# Allegro board FMDEMOD-Long.brd (continued)
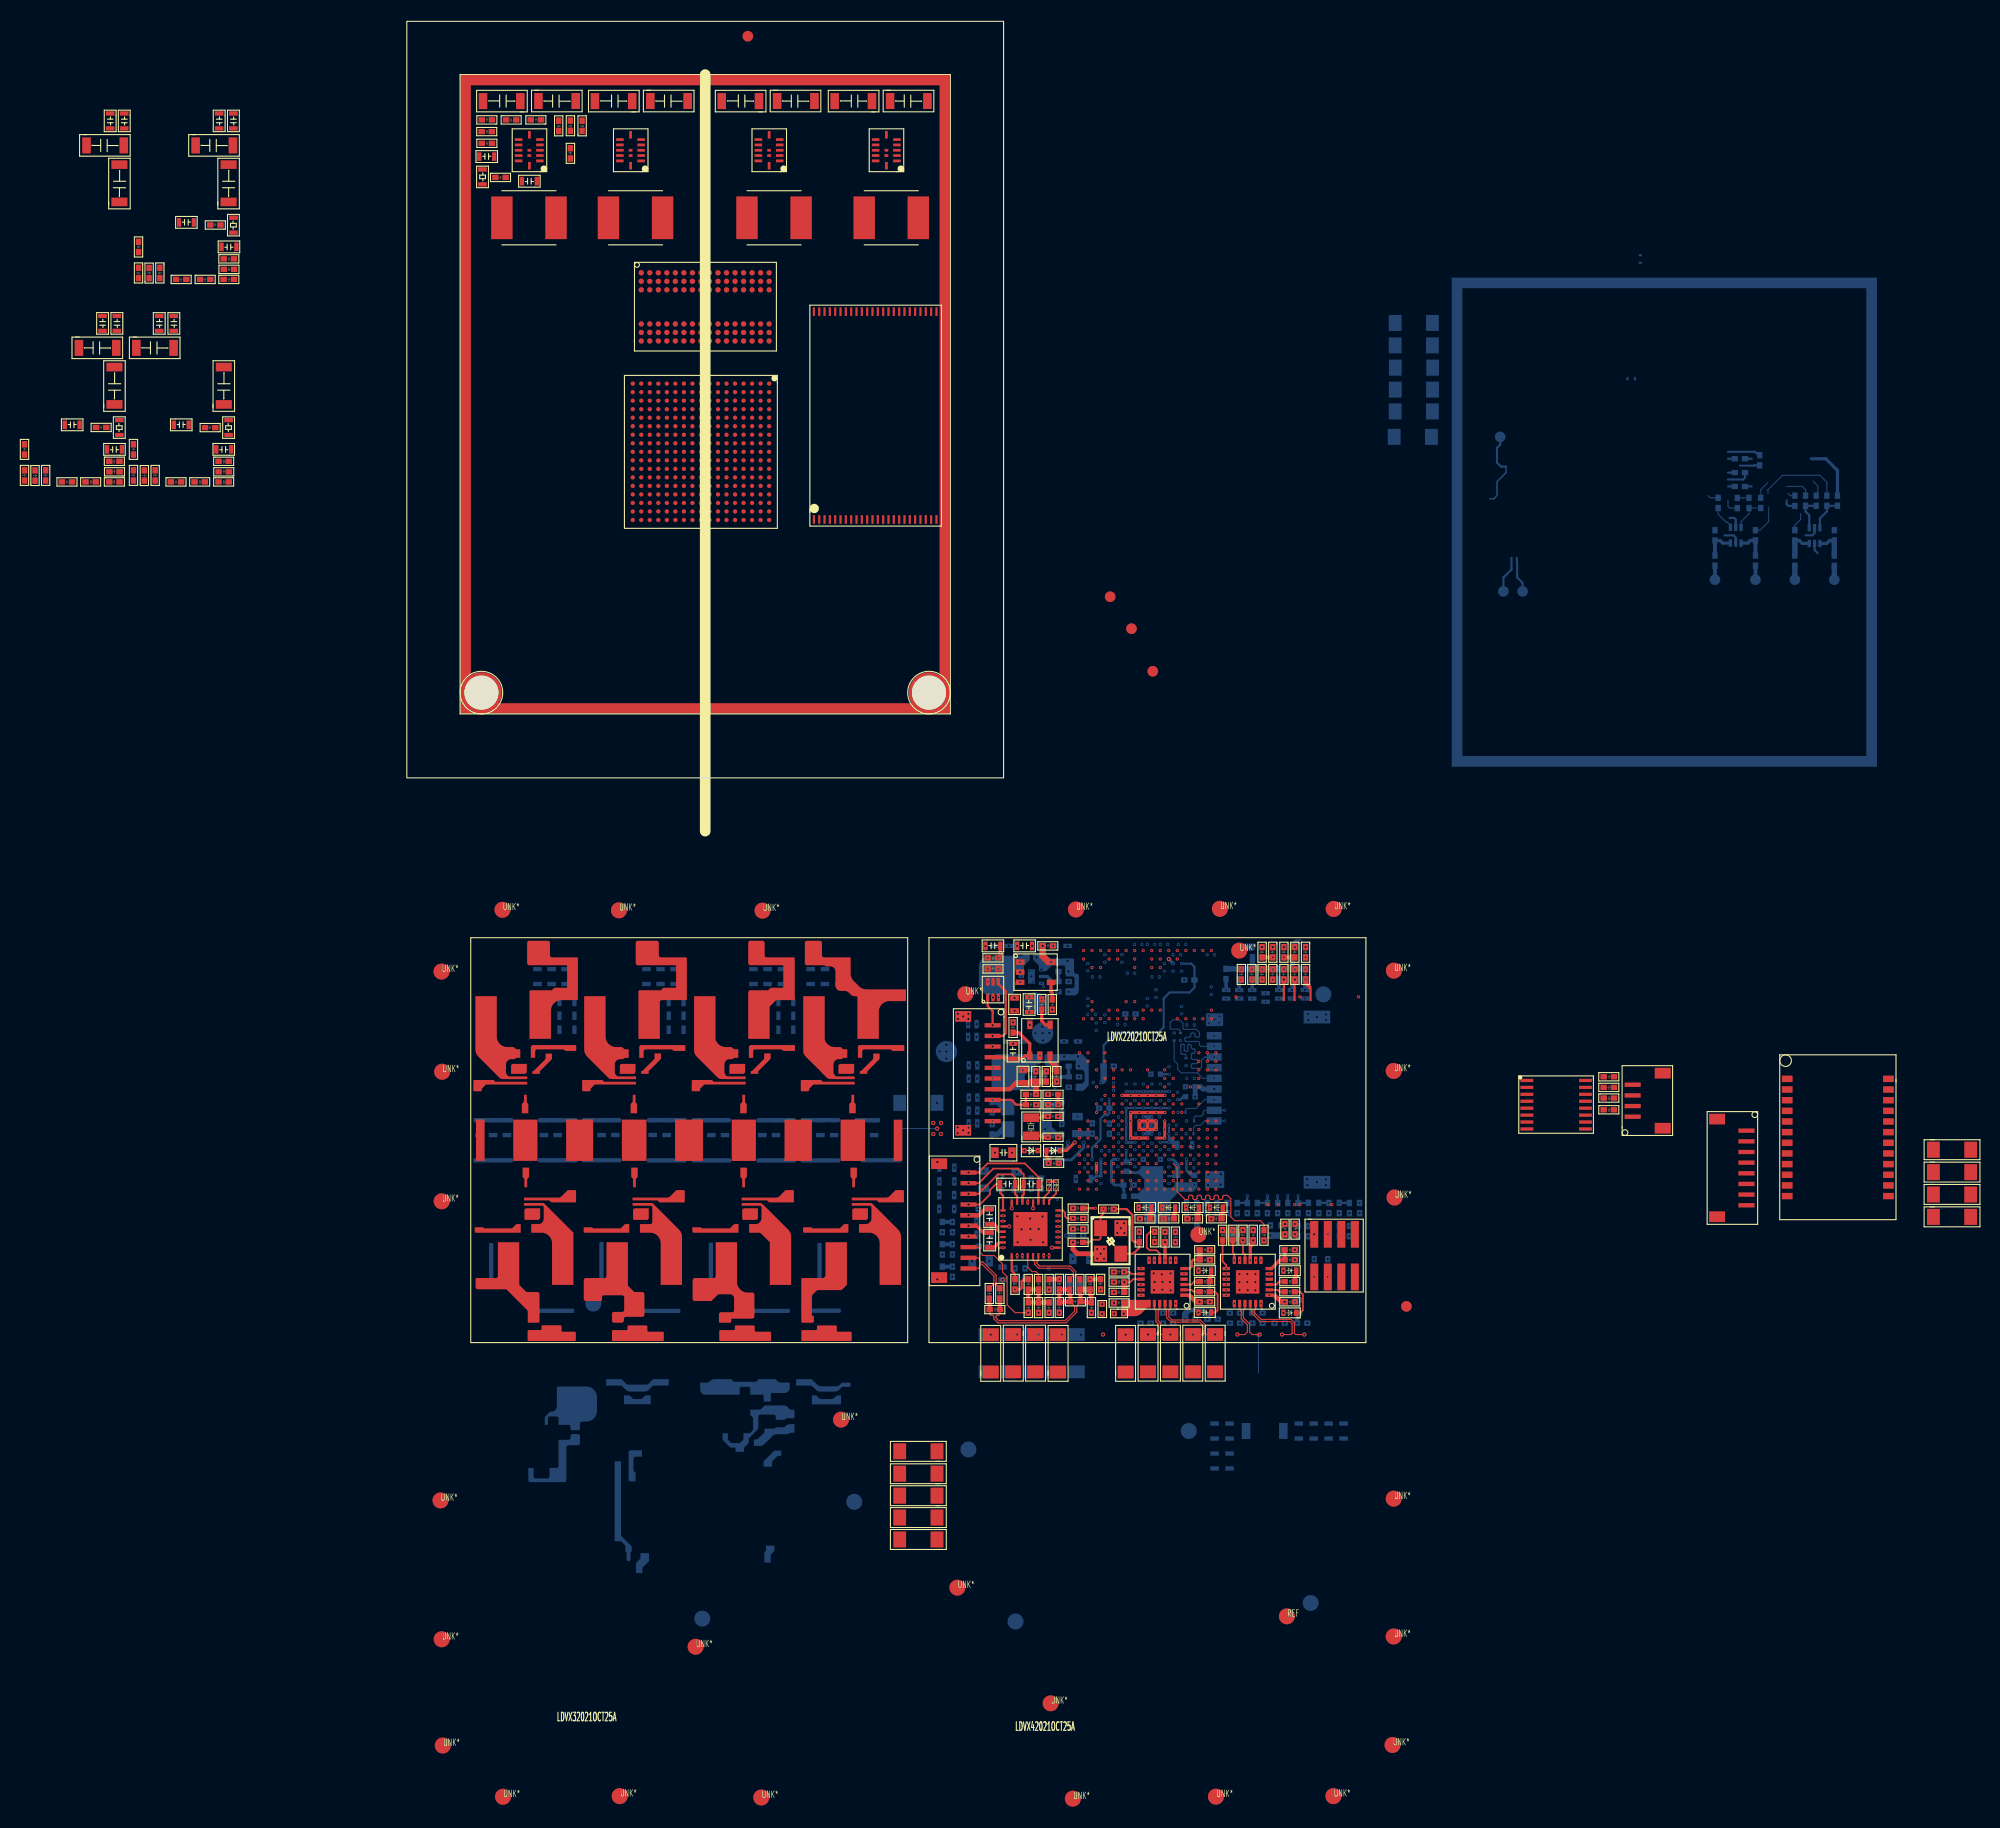
[diagram p0: board, top side]
## Routing (per net, layer and track width the routed paths; a pad name or vN(x,y) marks a point on that pad's centre or on a via; arc(x,y) is an arc through that point) (continued)
SPK_LP: length 8.1
  TOP w0.16: v16(52.71,-40.04) 53.77,-40.04 54.71,-39.1 54.71,-38.68 55.27,-38.13 C73.1
  TOP w0.2: C73.1 55.68,-38.93 55.95,-39.2 U15.25
  SIGNAL-L4 w0.3: v15(51.37,-40.45) 51.78,-40.04 v16(52.71,-40.04)
SPK_RN: length 11.3
  TOP w0.16: v16(52.71,-37.04) 53.64,-37.04 54.49,-36.18 57.99,-36.18 59.29,-37.48 C74.2
  TOP w0.2: C74.2 59.29,-38.7 59.27,-38.73 U15.19
  SIGNAL-L4 w0.3: v16(52.71,-37.04) 52.3,-37.04 51.85,-36.59 v15(51.38,-36.59)
SPK_RP: length 10
  TOP w0.16: C74.1 57.89,-37.21 57.34,-36.67 55.04,-36.67 53.67,-38.04 v16(52.71,-38.04)
  TOP w0.2: U15.22 57.77,-39.21 57.89,-39.09 C74.1
  SIGNAL-L4 w0.3: v16(52.71,-38.04) 52.12,-38.04 51.95,-37.87 v15(51.38,-37.87)
TTL_TXD: length 1.1
  BOTTOM w0.1: R350.1 125.38,26.28 125.37,26.27 R369.2
USB_OTG1_DN: length 14.7
  SIGNAL-L7 w0.1: v8(63.92,-37) 63.44,-36.52 62.98,-36.52 62.66,-36.2 57.22,-36.2 56.45,-35.43 56.45,-32.45 55.6,-31.61 55.07,-31.61 54.97,-31.51 v8(54.97,-31.22)
  SIGNAL-L7 w0.26: v8(54.97,-31.22) 54.65,-31.22 54.64,-31.22 v18(53.53,-31.22)
USB_OTG1_DP: length 13.9
  SIGNAL-L7 w0.1: v8(63.12,-37) 62.53,-36.41 57.13,-36.41 56.24,-35.51 56.24,-32.54 55.52,-31.82 55.07,-31.82 54.97,-31.92 v8(54.97,-32.22)
  SIGNAL-L7 w0.26: v18(53.52,-32.42) 53.99,-32.42 54.2,-32.22 v8(54.97,-32.22)
USB_OTG1_ID: length 21.7
  TOP w0.2: R22.1 58.09,-30.14 58.09,-30.14 R39.2 57.17,-30.67 56.72,-30.22 v21(54.97,-30.22)
  SIGNAL-L7 w0.26: v18(53.54,-30) 53.91,-30 54.13,-30.22 v21(54.97,-30.22)
  SIGNAL-L8 w0.1: v5(68.72,-35.4) 67.9,-34.58 66.99,-34.58 66.49,-34.08 64.18,-34.08 63.21,-33.1 61.03,-33.1 59.79,-31.87 57.8,-31.87 56.15,-30.22 v21(54.97,-30.22)
USB_OTG1_VBUS: length 17.7
  TOP w0.4: J1.7 56.56,-29.22 57.11,-28.67 57.11,-28.67 57.16,-28.62 57.82,-28.62
  TOP w0.5: C36.2 58.58,-28.5 58.46,-28.62 57.82,-28.62 ; C36.2 C37.2 ; C36.2 59.02,-28.98 59.05,-29 v7(59.05,-29.71)
  SIGNAL-L4 w0.16: v7(59.05,-29.71) 61.28,-31.94 62.96,-31.94 63.52,-32.51 v15(63.52,-34.23)
  SIGNAL-L4 w0.2: v7(63.92,-34.6) 63.55,-34.23 v15(63.52,-34.23)
  BOTTOM w0.26: C390.2 62.37,-35.84 63.52,-34.69 v15(63.52,-34.23)
USB_OTG2_DN: length 17.3
  SIGNAL-L7 w0.1: v8(54.97,-27.22) 54.97,-27.51 55.07,-27.61 57,-27.61 57.86,-28.47 57.86,-33.72 58.86,-34.72 62.22,-34.72 62.36,-34.58 63.19,-34.58 63.62,-35 63.62,-35.1 v8(63.92,-35.4)
  SIGNAL-L7 w0.26: v18(53.53,-26.97) 53.91,-26.97 54.15,-27.22 v8(54.97,-27.22)
USB_OTG2_DP: length 16.8
  SIGNAL-L7 w0.1: v8(63.12,-35.4) 63.35,-35.17 63.35,-35.03 63.11,-34.79 62.44,-34.79 62.31,-34.93 58.77,-34.93 57.65,-33.81 57.65,-28.56 56.91,-27.82 55.07,-27.82 54.97,-27.92 v8(54.97,-28.22)
  SIGNAL-L7 w0.26: v18(53.53,-28.22) 54.64,-28.22 54.65,-28.22 v8(54.97,-28.22)
USB_OTG2_VBUS: length 18.8
  SIGNAL-L4 w0.16: v7(63.12,-34.6) 62.86,-34.6 62.79,-34.67 62.46,-34.67 v15(62.02,-34.24) 62.02,-33.76 61.12,-32.86 59.3,-32.86 57.26,-30.82 57.26,-26 57.71,-25.55 57.71,-22.08 57.49,-21.86 v16(57.03,-21.86)
  BOTTOM w0.26: C361.2 61.73,-34.89 62.02,-34.6 v15(62.02,-34.24)
USB_VBUS: length 6.8
  TOP w0.3: R11.2 57.42,-23.91 58.45,-24.94 U4.1 58.03,-26.08 57.76,-26.35 C27.1 56.13,-26.35 56,-26.22 J1.4
VENET_3V3: length 0
  TOP w0.127: 71.15,-43.56 v13(71.15,-43.57)
  vias: v10(71.15,-45.27) v10(79.15,-45.27) v12(74.39,-45.23) v12(74.39,-48.22) v12(83.63,-49.02) v13(65.25,-50.3) v13(66.36,-46.37) v13(66.36,-47.32) v13(66.38,-50.27) v13(70.18,-43.56) v13(74.28,-46.25) v13(74.28,-50.17) v13(76.55,-42.44) v13(77.52,-42.44) v13(79.42,-43.4) v13(82.26,-46.25) v13(82.26,-50.2)
XTALI: length 11.5
  TOP w0.2: v19(66.33,-40.47) 67.54,-40.47 68.09,-41.01 68.09,-43.39 68.26,-43.56 C95.2 68.73,-44.09 68.16,-44.66 67,-44.66
  SIGNAL-L7 w0.1: v19(66.33,-40.47) 65.17,-39.31 65.17,-38.54 64.43,-37.8 v8(63.92,-37.8)
XTALO: length 7.1
  TOP w0.16: C98.2 64.02,-43.59 64.27,-43.34 64.97,-43.34 65.1,-43.22 Y2.1 65.1,-41.17 65.37,-40.89 v8(65.37,-40.47)
  SIGNAL-L7 w0.1: v8(63.92,-38.6) 63.92,-39.02 v8(65.37,-40.47)
ZQ0: length 0.6
  BOTTOM w0.3: v11(71.9,-17.44) 71.9,-17.4 v14(71.5,-17)
ZQ1: length 0.6
  PWR-L6 w0.3: v10(71.5,-16.2) v11(71.9,-16.6)
ZQPAD: length 0.4
  PWR-L6 w0.3: v10(66.32,-28.2) 66.32,-28.2 v11(66.32,-28.62)
N4007879: length 1.4
  PWR-L6 w0.2: v10(66.32,-34.6) 65.93,-34.21 v11(65.93,-33.41)
N4008796: length 3.2
  PWR-L6 w0.26: v11(65.13,-35.79) v10(65.52,-35.4)
  BOTTOM w0.26: v11(65.13,-35.79) 65.13,-36.2 C399.1 64.68,-37.37 64.4,-37.64 C397.1
N4087915: length 6.2
  TOP w0.3: v19(60.16,-31.77) 59.68,-31.77 59.56,-31.9 Y1.2
  SIGNAL-L7 w0.1: v19(60.16,-31.77) 60.43,-32.04 61.62,-32.04 62.95,-33.37 63.49,-33.37 v8(63.92,-33.8)
N4087935: length 5.3
  TOP w0.3: v19(60.16,-33.73) 59.68,-33.73 59.55,-33.6 58.58,-33.6
  SIGNAL-L7 w0.1: v19(60.16,-33.73) 60.16,-33.36 60.33,-33.18 61.43,-33.18 62.04,-33.8 v8(63.12,-33.8)
N4129499: length 1.1
  TOP w0.36: R82.2 69.75,-40.92 69.87,-40.81 D3.2
N4198004: length 2.8
  PWR-L6 w0.2: v10(64.72,-34.6) 64.33,-34.21 v12(64.33,-33.39)
  BOTTOM w0.5: C322.2 63.9,-33.39 63.9,-33.39 v12(64.33,-33.39)
N4201231: length 1.3
  SIGNAL-L4 w0.1: v15(58.02,-46.03) 58.02,-45.52 57.77,-45.26 v7(57.77,-44.84)
N4201841: length 1.3
  SIGNAL-L4 w0.1: v7(57.27,-44.84) 57.27,-45.27 57.07,-45.46 v15(57.07,-46.03)
N4206925: length 4.9
  TOP w0.2: R79.1 64.29,-40.38 64.29,-40.39 v3(64.62,-40.39)
  SIGNAL-L3 w0.1: v3(65.52,-37) 65.52,-38.79 64.62,-39.69 v3(64.62,-40.39)
N4209990: length 0.9
  SIGNAL-L3 w0.1: v4(80.29,-50.22) 80.29,-49.84 80.15,-49.7 v3(80.15,-49.34)
N4216158: length 1.1
  TOP w0.36: D8.1 83.46,-46.74 83.33,-46.87 R99.2
N4216162: length 3.1
  TOP w0.16: D10.1 83.85,-50.2 84.09,-49.97 84.09,-48.49 83.82,-48.22 R108.2
N4216453: length 2.7
  TOP w0.3: C100.1 C101.1 81.95,-45.23 81.13,-46.05 U17.6
N4219956: length 3.4
  SIGNAL-L3 w0.2: v6(80.43,-43.4) 80.43,-44.52 80.93,-45.02 v3(80.93,-46.55)
N4226540: length 1.1
  TOP w0.36: D7.1 75.48,-46.74 75.35,-46.87 R98.2
N4226544: length 3
  TOP w0.16: R107.2 75.84,-48.22 76.08,-48.46 76.08,-49.97 75.87,-50.17 D9.1
N4226630: length 3
  TOP w0.2: C102.1 73.8,-45.23 73.66,-45.38 73.66,-45.85 73.46,-46.05 U16.6
  TOP w0.5: C99.1 74.39,-44.8 74.39,-44.81 C102.1
N4226754: length 1
  SIGNAL-L3 w0.1: v4(71.91,-50.22) 72.18,-49.95 72.18,-49.69 72.15,-49.67 v3(72.15,-49.34)
N4226762: length 3.3
  SIGNAL-L3 w0.127: v3(72.93,-46.55) 72.93,-44.38 v6(72.12,-43.57)
N4949904: length 1.1
  TOP w0.36: R83.2 71.98,-40.92 72.1,-40.81 72.1,-40.33
N4950154: length 1.1
  TOP w0.36: D5.2 74.33,-40.81 74.21,-40.92 R84.2
N4950158: length 1.1
  TOP w0.36: D6.2 76.57,-40.81 76.45,-40.92 R85.2
N4962302: length 2
  TOP w0.3: U4.4 59.94,-23.18 59.58,-22.82 R10.2
N4962318: length 1.9
  TOP w0.3: R16.1 60.99,-27 60.87,-26.87 60.57,-26.87 60.35,-26.66 U4.3
N4966591: length 2.1
  TOP w0.36: v7(64.11,-47.06) 64.66,-47.06 64.67,-47.05 R106.1
  SIGNAL-L4 w0.1: v7(64.11,-47.06) 63.62,-47.06 v17(63.16,-47.52)
N4966598: length 2.1
  TOP w0.36: R103.2 60.7,-47.06 60.71,-47.05 v7(61.23,-47.05)
  SIGNAL-L4 w0.1: v17(62.2,-47.52) 61.72,-47.05 v7(61.23,-47.05)
N4966923: length 10.4
  TOP w0.2: v7(57.07,-48.01) 57.55,-48.01 57.69,-47.86 57.69,-47.25 57.89,-47.06 R102.2
  SIGNAL-L4 w0.1: v7(65.1,-48.01) 61.55,-48.01 61.09,-47.54 59.4,-47.54 58.94,-48.01 v7(57.07,-48.01)
N4969505: length 2.4
  SIGNAL-L4 w0.1: v7(55.95,-41.59) 55.62,-41.59 55.62,-41.6 v15(54.85,-41.6)
  BOTTOM w0.36: v15(54.85,-41.6) C411.1
N4971120: length 5.4
  TOP w0.36: R112.2 58.85,-49.24 58.84,-49.23 R111.1 R102.1 C107.1 R112.2 ; R112.2 59.84,-49.24 59.85,-49.23 C121.1
N6357472: length 3.6
  SIGNAL-L4 w0.3: v16(52.71,-42.04) 52.16,-42.04 51.82,-42.38 51.82,-43.14 v15(51.19,-43.77)
  BOTTOM w0.36: R264.1 v15(51.19,-43.77)
N6357497: length 2.7
  SIGNAL-L4 w0.3: v15(51.19,-41.67) 51.83,-41.04 v16(52.71,-41.04)
  BOTTOM w0.36: C410.1 v15(51.19,-41.67)
N7057664: length 0.7
  SIGNAL-L7 w0.1: v9(85.15,-46.12) v8(85.15,-46.83)
N7057668: length 0.7
  SIGNAL-L7 w0.1: v9(86.41,-46.12) 86.41,-46.5 86.42,-46.51 v8(86.42,-46.83)
N7060478: length 4.3
  SIGNAL-L3 w0.1: v6(86.42,-42.83) 86.42,-42.13 85.58,-41.29 v4(85.58,-40.85) v4(87.5,-40.85)
N7060523: length 6.1
  SIGNAL-L3 w0.1: v4(84.61,-40.85) 84.61,-41.35 85.15,-41.89 v6(85.15,-42.83) 85.99,-43.68 87.78,-43.68 v4(88.45,-43.01)
N7084975: length 21.5
  PWR-L6 w0.22: v12(84.27,-19.9) 84.27,-20.23 84.36,-20.32 84.36,-20.78 84.27,-20.87 84.27,-26.77 78.84,-32.2 v11(76.75,-32.2)
  BOTTOM w0.1: 73.82,-33.4 73.82,-32.83 74.04,-32.61 74.48,-32.61 74.89,-32.2 J5.1 v11(76.75,-32.2)
  BOTTOM w0.3: v12(84.27,-19.9) 84.27,-19.53 84.28,-19.51 R205.2
N7085009: length 19.2
  PWR-L6 w0.22: v12(83.06,-19.9) 83.06,-25.96 77.82,-31.2 v11(76.75,-31.2)
  BOTTOM w0.1: R230.2 73.88,-31.87 74,-31.75 74.56,-31.75 74.73,-31.57 74.73,-31.33 74.86,-31.2 J5.2 v11(76.75,-31.2)
  BOTTOM w0.3: R206.2 v12(83.06,-19.9)
N7085027: length 17.8
  PWR-L6 w0.22: v11(81.86,-19.91) 81.86,-25.13 76.79,-30.2 v11(75.77,-30.2)
  BOTTOM w0.1: R229.2 73.07,-31.13 73.17,-31.03 74.04,-31.03 74.86,-30.2 v11(75.77,-30.2)
  BOTTOM w0.3: R207.2 81.83,-19.5 81.86,-19.53 v11(81.86,-19.91)
N7085069: length 16.5
  PWR-L6 w0.22: v11(75.77,-28.2) 76.92,-28.2 80.58,-24.53 v11(80.58,-21.01)
  BOTTOM w0.1: R218.2 72.01,-26.54 72.33,-26.86 72.33,-27.35 72.67,-27.69 74.19,-27.69 74.7,-28.2 v11(75.77,-28.2)
N7085119: length 20.1
  PWR-L6 w0.22: v11(79.33,-19.91) 79.33,-24.2 77.33,-26.2 v11(75.77,-26.2)
  BOTTOM w0.1: v11(75.77,-26.2) 74.87,-26.2 74.57,-26.5 74.57,-27.16 74.47,-27.26 73.71,-27.26 73.61,-27.16 73.61,-26.92 73.71,-26.82 74.14,-26.82 74.24,-26.72 74.24,-26.52 74.14,-26.42 73.71,-26.42 73.61,-26.32 73.61,-25.94 73.71,-25.84 73.87,-25.84 73.97,-25.74 73.97,-25.54 73.87,-25.44 73.71,-25.44 73.61,-25.34 73.61,-25.11 73.51,-25.01 73.39,-25.01 73.29,-25.11 73.29,-25.61 73.23,-25.67 73.05,-25.67 72.95,-25.57 72.95,-25.07 72.87,-24.99 72.73,-24.99 72.63,-25.09 72.63,-25.85 72.72,-25.93 73.02,-25.93 73.12,-26.04 73.12,-26.31
  BOTTOM w0.3: v11(79.33,-19.91) 79.33,-19.53 79.35,-19.51 R208.2
N7085137: length 19
  PWR-L6 w0.22: v11(75.77,-25.2) 76.39,-25.2 78.11,-23.47 78.11,-21.03 78.36,-20.78 78.36,-20.32 78.11,-20.07 v11(78.11,-19.91)
  BOTTOM w0.1: R217.2 72.6,-23.75 72.43,-23.59 71.72,-23.59 71.62,-23.49 71.62,-23 71.9,-22.72 72.52,-22.72 72.83,-23.02 72.83,-23.5 72.93,-23.6 74.09,-23.6 74.38,-23.89 74.38,-24.24 74.28,-24.34 74.06,-24.34 73.96,-24.24 73.96,-24.05 73.86,-23.95 73.66,-23.95 73.56,-24.05 73.56,-24.24 73.46,-24.34 73.11,-24.34 73.01,-24.44 73.01,-24.64 73.11,-24.74 74.28,-24.74 74.38,-24.84 74.38,-25.07 74.52,-25.2 v11(75.77,-25.2)
  BOTTOM w0.3: v11(78.11,-19.91) 78.11,-19.53 78.11,-19.53 R209.2
N7099288: length 4.3
  TOP w0.2: U3.1 54.51,-21.42 54.97,-21.89 v6(54.97,-23.22)
  SIGNAL-L3 w0.3: v6(54.97,-23.22) 53.95,-23.22 53.84,-23.11 v4(53.47,-23.11)
N7119824: length 3.1
  BOTTOM w0.2: 123.98,30.6 126.5,30.6 126.81,30.29 C596.1
N7119928: length 0.6
  BOTTOM w0.2: C601.1 123.98,28.65
N7119940: length 0.6
  BOTTOM w0.2: C607.1 123.98,29.95
N7119964: length 1.9
  BOTTOM w0.2: 125.1,29.3 126.44,29.3 126.47,29.33 C596.2
N7119992: length 0.6
  BOTTOM w0.2: C611.1 123.98,27.35
N7120000: length 2.1
  BOTTOM w0.2: C601.2 125.57,28.17 125.4,28 123.98,28
N7120004: length 2.9
  BOTTOM w0.3: U41.3 130.96,22 130.68,22.28 R324.2
  BOTTOM w0.5: R322.2 R324.2
N7120715: length 1.3
  BOTTOM w0.5: TP53.1 R322.1
N7120840: length 1.3
  BOTTOM w0.36: TP54.1 R329.1
N7121019: length 1.3
  BOTTOM w0.36: TP51.1 R336.1
N7121024: length 1.3
  BOTTOM w0.5: TP52.1 R330.1
N7132409: length 1.5
  BOTTOM w0.1: R369.1 124.17,25.31 123.98,25.5 123.98,26.05
N7132815: length 3.2
  BOTTOM w0.1: U42.3 125.2,24.04 125.95,24.79 R350.2 R349.2
N7132819: length 3.1
  BOTTOM w0.1: 129.6,26.7 129.82,26.48 R334.2 ; R335.2 123.05,24.74 123.81,23.99 123.92,23.99 124.2,23.71 U42.1
N7301618: length 2.9
  BOTTOM w0.3: R331.2 126.07,22.28 125.82,22.03 U42.4
  BOTTOM w0.36: R329.2 R331.2
N7301681: length 2.9
  BOTTOM w0.3: R332.2 133.52,22.28 133.24,22 U41.1
  BOTTOM w0.5: R330.2 R332.2
N7301693: length 3
  BOTTOM w0.3: U42.6 123.48,22.03 123.23,22.28 R338.2
  BOTTOM w0.36: R336.2 R338.2
N7303091: length 2.7
  BOTTOM w0.1: 129.48,27.35 130.95,27.35 131.25,27.05 R346.1 131.25,26.29
N7303129: length 8.2
  BOTTOM w0.1: 127.72,26.7 127.72,27.03 129.1,28.4 132.6,28.4 133.25,27.75 R347.1 133.25,26.29
N7303150: length 1.7
  BOTTOM w0.1: R349.1 127.05,27.05 127.7,27.7
N7303177: length 1.2
  BOTTOM w0.2: 129.48,26.05 129.48,25.67 129.63,25.52 R334.1
N7304159: length 3.2
  BOTTOM w0.2: R345.2 R346.2 131.25,25 131.6,24.65 U41.4
N7304177: length 3.3
  BOTTOM w0.2: U41.6 132.6,24.35 133.25,25 R347.2 R348.2
N7869909: length 8
  TOP w0.2: v6(54.97,-24.22) 55.95,-24.22 56.2,-23.96 56.2,-20.03 55.51,-19.33 U3.4
  SIGNAL-L3 w0.3: v4(53.47,-24.32) 53.84,-24.32 53.95,-24.22 v6(54.97,-24.22)
N8015227: length 1.7
  BOTTOM w0.5: R228.1 55.41,-30.43 55.89,-30.91 R227.1
N8015335: length 1.7
  BOTTOM w0.5: R233.1 55.91,-32.97 55.42,-33.46 R234.1
N8206279: length 1.6
  TOP w0.3: C22.2 60.57,-20.19 60.45,-20.08 U1.4
N8420934: length 2.7
  BOTTOM w0.3: R204.1 61.14,-18.59 61.15,-18.6 R212.2 60.57,-19.11 60.09,-18.64 U34.2
N8425431: length 4.1
  SIGNAL-L8 w0.16: v2(61.15,-20.08) 59.78,-20.08 58.35,-18.64 v1(57.66,-18.64)
N8429190: length 4
  SIGNAL-L8 w0.16: v2(62.12,-29.03) 59.3,-29.03 58.72,-28.45 v1(58.72,-28.1)
N8429316: length 2.5
  BOTTOM w0.3: U35.2 61.5,-28.1 61.54,-28.05 62.12,-28.05 62.12,-27.63 62.11,-27.62 R221.1

## Copper pours and planes (outline as drawn; the poured copper is in the pictures)
3V3_AUDIO on PWR-L6: 56,-43.6 56.31,-43.3 61.6,-43.3 61.64,-43.34 61.64,-45.79 60.96,-46.47 53.67,-46.47 52.58,-47.56 52.58,-48.31 52.36,-48.54 49.57,-48.54 49.57,-44 49.97,-43.6
3V3_MCU on PWR-L6: 49.05,-55.05 89.95,-55.05 89.95,-92.95 49.05,-92.95
5V_AUDIO on PWR-L6: 55.02,-39.16 55.02,-38.31 55.18,-38.16 59.92,-38.16 60.02,-38.25 60.02,-40.54 58.79,-41.76 56.66,-41.76 55.33,-43.09 49.57,-43.09 49.57,-40.07 54.11,-40.07
GND on TOP (solid shape): 7.29,-35.94 6.49,-35.94 6.49,-32.08 7.29,-32.08
GND on TOP (solid shape): 46.5,-35.95 45.7,-35.95 45.7,-32.08 46.5,-32.08
GND on TOP (solid shape): 17.48,-35.95 14.95,-35.95 14.95,-32.08 17.48,-32.08
GND on TOP (solid shape): 27.79,-35.95 25.18,-35.95 25.18,-32.08 27.79,-32.08
GND on TOP (solid shape): 38.01,-35.95 35.45,-35.95 35.45,-32.08 38.01,-32.08
GND on TOP (solid shape): 51,6 5,6 5,7 50,7 50,65 6,65 6,7 5,7 5,66 51,66
GND on TOP (solid shape): 11.25,-27.57 11.19,-27.71 11.05,-27.77 9.78,-27.77 9.78,-27.05 9.84,-26.9 9.98,-26.85 11.25,-26.85
GND on TOP (solid shape): 21.45,-27.57 21.4,-27.71 21.25,-27.77 19.99,-27.77 19.99,-27.05 20.05,-26.9 20.19,-26.85 21.45,-26.85
GND on TOP (solid shape): 31.74,-27.57 31.68,-27.71 31.54,-27.77 30.27,-27.77 30.27,-27.05 30.33,-26.9 30.48,-26.85 31.74,-26.85
GND on TOP (solid shape): 41.97,-27.57 41.91,-27.71 41.77,-27.77 40.51,-27.77 40.51,-27.05 40.57,-26.9 40.71,-26.85 41.97,-26.85
GND on BOTTOM (solid shape): 137.95,1.05 98.05,1.05 98.05,2.05 136.95,2.05 136.95,45.95 99.05,45.95 99.05,2.05 98.05,2.05 98.05,46.95 137.95,46.95
GND on GND-L2: 46.85,-55.15 46.85,-92.91 6.06,-92.91 6.06,-55.15
GND on GND-L2: 49.05,-55.14 49.05,-92.74 89.8,-92.74 89.8,-55.14
GND on GND-L2, GND-L5: 89.59,-52.68 89.59,-15.33 49.34,-15.33 49.34,-35.12 51.94,-35.12 53.63,-36.8 53.63,-37.26 54.63,-37.26 54.63,-36.79 55.35,-36.06 59.44,-36.06 59.87,-36.49 61.47,-36.49 61.88,-36.89 61.88,-41.73 62.95,-41.73 63.17,-41.95 63.17,-44.31 63.4,-44.54 63.4,-46.26 63.58,-46.43 64.46,-46.43 64.62,-46.59 64.62,-52.68
GND on GND-L2, GND-L5, GND-L9: 6.05,-15.54 6.2,-15.2 6.54,-15.05 46.46,-15.05 46.81,-15.2 46.95,-15.55 46.95,-52.45 46.8,-52.8 46.45,-52.95 6.55,-52.95 6.2,-52.81 6.05,-52.46
GND on GND-L5: 6.06,-55.05 46.85,-55.05 46.85,-92.91 6.06,-92.91
GND on GND-L5, GND-L9: 49.15,-92.74 89.8,-92.74 89.8,-55.14 49.15,-55.14
GND on GND-L9: 89.59,-52.68 89.59,-15.33 49.34,-15.33 49.34,-35.12 51.94,-35.12 53.63,-36.8 53.63,-37.26 54.63,-37.26 54.63,-36.79 54.63,-36.56 55.34,-35.85 59.36,-35.85 59.99,-36.49 61.47,-36.49 61.88,-36.89 61.88,-41.73 62.95,-41.73 63.17,-41.95 63.17,-44.31 63.4,-44.54 63.4,-46.26 63.58,-46.43 64.46,-46.43 64.62,-46.59 64.62,-52.68
GND on GND-L9: 46.85,-55.15 46.85,-92.91 6.06,-92.91 6.06,-55.15
GNDA on GND-L2: 51.9,-35.86 52.63,-36.59 52.63,-37.61 53.17,-38.15 54.41,-38.15 56.48,-36.08 58.86,-36.08 59.94,-37.16 59.94,-38.26 60.07,-38.39 61.14,-38.39 61.59,-38.84 61.59,-42 62.03,-42.45 62.03,-42.51 62.13,-42.6 62.86,-42.6 62.86,-45.42 63.34,-45.89 63.34,-47.36 64.47,-48.5 64.47,-52.68 49.36,-52.68 49.36,-35.86
GNDA on GND-L5: 51.9,-35.86 52.63,-36.59 52.63,-37.61 53.17,-38.15 55.18,-38.15 56.28,-37.06 56.28,-36.45 59.23,-36.45 59.94,-37.16 59.94,-38.26 60.07,-38.39 61.14,-38.39 61.59,-38.84 61.59,-42 62.03,-42.45 62.03,-42.51 62.13,-42.6 62.86,-42.6 62.86,-44.51 62.95,-44.51 63.24,-44.8 63.24,-46.4 63.52,-46.68 64.38,-46.68 64.47,-46.77 64.47,-52.68 49.36,-52.68 49.36,-35.86
GNDA on GND-L9: 51.9,-35.86 52.63,-36.59 52.63,-37.61 53.17,-38.15 54.52,-38.15 56.43,-36.25 59.03,-36.25 59.94,-37.16 59.94,-38.26 60.07,-38.39 61.14,-38.39 61.59,-38.84 61.59,-42 62.03,-42.45 62.03,-42.51 62.13,-42.6 62.86,-42.6 62.86,-44.51 62.95,-44.51 63.24,-44.8 63.24,-46.4 63.52,-46.68 64.38,-46.68 64.47,-46.77 64.47,-52.68 49.36,-52.68 49.36,-35.86
VBAT_IN on TOP (solid shape): 32.75,-35.95 30.49,-35.95 30.49,-32.08 32.75,-32.08
VBAT_IN on TOP (solid shape): 22.48,-35.94 20.18,-35.94 20.18,-32.08 22.48,-32.08
VBAT_IN on TOP (solid shape): 12.25,-35.94 9.99,-35.94 9.99,-32.08 12.25,-32.08
VBAT_IN on TOP (solid shape): 43,-35.95 40.71,-35.95 40.71,-32.08 43,-32.08
VDD_ARM_CAP on BOTTOM (solid shape): 71.61,-33.52 71.63,-33.59 71.67,-33.66 72.03,-34.02 72.1,-34.06 72.17,-34.08 72.49,-34.08 72.49,-34.88 72.09,-34.88 72.09,-34.8 72.08,-34.73 72.03,-34.66 71.72,-34.35 71.66,-34.31 71.58,-34.29 70.57,-34.29 70.57,-34.09 71.22,-34.09 71.36,-34.03 71.42,-33.89 71.42,-32.45 71.61,-32.45
VDD_ARM_CAP on PWR-L6: 71.14,-31.89 71.07,-31.89 70.88,-32.08 70.88,-33.55 70.85,-33.58 70.06,-33.58 69.93,-33.7 69.93,-34.67 70,-34.74 71.51,-34.74 71.68,-34.91 72.87,-34.91 72.97,-34.81 72.97,-32.21 72.63,-31.88 71.14,-31.88
VDD_SNVS_3V3 on TOP (solid shape): 59.97,-16.58 60.44,-17.05 60.85,-17.05 60.85,-17.55 60.05,-17.55 59.37,-16.86 59.37,-15.52 59.37,-15.52 59.97,-15.52
VDD_SOC_CAP on BOTTOM (solid shape): 71.67,-31.08 67.67,-31.08 67.6,-31.15 67.6,-34.05 67.65,-34.09 68.47,-34.09 68.47,-34.29 68.17,-34.29 68.12,-34.35 67.4,-34.35 67.4,-31.17 67.37,-31.14 67.37,-30.89 71.67,-30.89
VDD_SOC_CAP on PWR-L6: 67.22,-30.49 71.8,-30.49 72.04,-30.73 72.04,-31.55 71.83,-31.76 70.84,-31.76 70.64,-31.56 68.37,-31.56 68.16,-31.77 68.16,-32.23 68.02,-32.37 67.4,-32.37 67.06,-32.03 67.06,-30.65
VDD_SOC_IN on BOTTOM (solid shape): 70.02,-31.87 70.04,-31.94 70.08,-32.01 70.25,-32.17 70.29,-32.24 70.31,-32.31 70.31,-32.88 70.29,-32.96 70.25,-33.02 70.08,-33.19 70.04,-33.25 70.02,-33.33 70.02,-33.55 69,-33.55 69,-33.25 69.23,-33.25 69.3,-33.23 69.37,-33.19 69.65,-32.91 69.69,-32.84 69.71,-32.77 69.71,-32.43 69.69,-32.36 69.65,-32.29 69.36,-32.01 69.3,-31.96 69.22,-31.95 69,-31.95 69,-31.65 70.02,-31.65
VDD_SOC_IN on BOTTOM (solid shape): 63.99,-26.54 63.99,-28.87 63.49,-29.37 62.88,-29.37 62.81,-29.34 62.78,-29.27 62.78,-28.79 62.81,-28.72 62.88,-28.69 63.39,-28.69 63.6,-28.47 63.6,-27.61 63.4,-27.4 62.86,-27.4 62.77,-27.31 62.77,-26.58 62.7,-26.52 61.35,-26.52 61.26,-26.62 61.26,-27.4 61.05,-27.6 60.37,-27.6 60.37,-27.19 60.31,-27.05 60.17,-26.99 60.06,-26.99 59.92,-26.93 59.86,-26.79 59.86,-26.03 59.89,-25.96 59.96,-25.93 63.38,-25.93
VDD_SOC_IN on PWR-L6: 63.28,-25.72 63.52,-25.96 63.52,-27.58 64.15,-27.58 64.55,-27.97 64.55,-27.97 64.73,-28.16 64.73,-29.13 65.12,-29.52 65.12,-30.36 65.85,-31.09 65.87,-31.09 66.21,-31.43 66.21,-31.87 66.97,-32.62 67.09,-32.62 67.25,-32.78 68.17,-32.78 68.29,-32.66 68.29,-32.47 68.34,-32.42 68.34,-31.86 68.45,-31.74 70.55,-31.74 70.81,-32 70.81,-33.19 70.59,-33.42 66.28,-33.42 65.31,-32.45 63.05,-32.45 62.3,-31.69 62.3,-28.52 61.92,-28.14 59.66,-28.14 59.47,-27.94 59.47,-26.06 59.81,-25.72
VDDA_ADC_3P3 on PWR-L6: 67.64,-38.37 67.65,-38.37 68.03,-38.75 68.69,-38.75 68.77,-38.66 68.77,-37.61 68.56,-37.39 68.56,-35.35 67.89,-34.67 66.99,-34.67 66.75,-34.92 66.75,-35.42 67.47,-36.15 67.47,-38.2
DCDC_3V3 on TOP (solid shape): 82.55,-19.23 82.46,-19.32 82.42,-19.39 82.4,-19.46 82.4,-20.95 82.2,-20.95 82.2,-19.46 82.18,-19.39 82.14,-19.32 82.05,-19.23 82.05,-18.63 82.55,-18.63
DCDC_3V3 on TOP (solid shape): 83.58,-19.23 83.46,-19.35 83.42,-19.42 83.4,-19.49 83.4,-20.95 83.2,-20.95 83.2,-19.43 83.18,-19.36 83.14,-19.29 83.08,-19.23 83.08,-18.63 83.58,-18.63
DCDC_3V3 on TOP (solid shape): 84.58,-19.23 84.84,-19.49 84.88,-19.55 84.9,-19.63 84.9,-20.95 84.7,-20.95 84.7,-19.93 84.68,-19.85 84.64,-19.79 84.08,-19.23 84.08,-18.63 84.58,-18.63
DCDC_3V3 on BOTTOM (solid shape): 70.97,-38.28 71.14,-38.45 71.87,-38.45 72.07,-38.25 72.07,-37.95 74.17,-37.95 74.17,-38.45 73.77,-38.86 72.45,-38.86 71.64,-39.67 71.64,-41.67 71.58,-41.82 71.44,-41.88 69.4,-41.88 69.25,-41.82 69.2,-41.67 69.2,-40.12 68.6,-39.52 67.95,-39.52 67.95,-39.02 68.6,-39.02 69.2,-38.42 69.2,-37.69 68.68,-37.18 67.25,-37.18 67.25,-36.68 67.75,-36.68 67.99,-36.92 68.58,-36.92 68.86,-36.64 68.86,-36.45 70.97,-36.45
DCDC_3V3 on PWR-L6: 64.34,-49.86 64.44,-49.76 65.43,-49.76 65.5,-49.7 65.5,-49.18 65.33,-49.01 64.62,-49.01 64.34,-48.74 64.34,-46.36 68.45,-42.25 73.41,-42.25 73.45,-42.29 75.2,-42.29 76.17,-41.33 79.28,-41.33 80.46,-42.51 80.46,-43.49 80.64,-43.67 83.81,-43.67 85.28,-45.15 85.28,-48.58 85.35,-48.65 89.42,-48.65 89.42,-19.61 89.05,-19.24 86.88,-19.24 85.79,-18.15 85.79,-16 85.36,-15.58 77.11,-15.58 76.63,-16.06 76.63,-23.03 72.84,-26.82 69.94,-26.82 69.22,-27.53 69.22,-28.49 69.43,-28.69 71.89,-28.69 72.04,-28.84 72.04,-30.52 73.68,-32.16 73.68,-35.63 73.01,-36.3 68.86,-36.3 68.71,-36.45 68.71,-37.21 68.95,-37.45 68.95,-38.74 68.87,-38.82 67.19,-38.82 65.76,-37.4 65.76,-36.5 63.94,-34.68 62.44,-34.68 62.07,-34.32 62.07,-29.17 61.53,-28.64 60,-28.64 59.55,-29.09 59.55,-33.98 58.5,-35.03 58.5,-36.49 60.08,-38.08 60.08,-42.04 60.99,-42.95 61.86,-42.95 61.86,-45.19 61.84,-45.21 61.84,-46.76 61.94,-46.86 57.12,-46.86 56.87,-46.61 54.24,-46.61 52.83,-48.03 52.83,-49.36 53.31,-49.84 53.31,-52.3 53.46,-52.45 64.34,-52.45
DCDC_3V3_PWR on TOP (solid shape): 23.45,-15.29 23.59,-15.35 23.65,-15.49 23.65,-16.65 23.7,-16.79 23.85,-16.85 26.18,-16.85 26.25,-16.88 26.28,-16.95 26.28,-20.75 26.25,-20.82 26.18,-20.85 23.93,-20.85 23.79,-20.91 23.73,-21.05 23.73,-24.49 21.73,-24.49 21.73,-20.04 21.76,-19.97 21.84,-19.94 23.79,-19.94 23.83,-19.93 23.87,-19.91 24.04,-19.73 24.07,-19.71 24.11,-19.7 25.17,-19.7 25.24,-19.67 25.27,-19.6 25.27,-17.68 25.24,-17.61 25.17,-17.58 21.68,-17.58 21.54,-17.53 21.48,-17.38 21.48,-15.49 21.54,-15.35 21.68,-15.29
DCDC_5V on PWR-L6: 49.05,-15.05 57.38,-15.05 58.53,-16.2 58.53,-17.75 58.9,-18.13 58.9,-19.9 59.33,-20.32 60.11,-20.32 60.98,-21.18 60.98,-24.08 58.37,-26.69 58.37,-33.51 57.36,-34.51 57.36,-36.8 57.36,-36.8 57.36,-37.86 57.21,-38.02 55.12,-38.02 54.84,-38.3 54.84,-39.03 53.98,-39.88 50.25,-39.88 49.05,-38.68
DRAM_1V35 on BOTTOM (solid shape): 59.71,-16.91 59.77,-16.95 59.85,-16.97 62.6,-16.97 62.6,-18.19 62.66,-18.33 62.8,-18.39 62.87,-18.39 63.01,-18.45 63.07,-18.59 63.07,-19.92 62.92,-20.27 62.57,-20.42 61.91,-20.42 61.84,-20.39 61.81,-20.31 61.81,-19.84 61.84,-19.77 61.91,-19.74 62.46,-19.74 62.6,-19.68 62.66,-19.54 62.66,-18.84 62.6,-18.7 62.46,-18.64 62,-18.64 61.86,-18.58 61.8,-18.44 61.8,-17.81 61.74,-17.67 61.6,-17.61 60.6,-17.61 60.53,-17.62 60.46,-17.67 60.05,-18.08 59.99,-18.12 59.91,-18.14 59.31,-18.14 59.31,-17.7 59.29,-17.62 59.25,-17.56 58.79,-17.1 58.79,-16.6 59.39,-16.6
DRAM_1V35 on PWR-L6: 75.93,-15.58 75.93,-22.49 73.17,-25.24 73.14,-25.24 71.71,-26.68 69.91,-26.68 69.6,-26.98 68.87,-26.98 68.87,-28.4 68.74,-28.52 68.74,-28.57 69.02,-28.84 71.74,-28.84 71.86,-28.97 71.86,-29.79 71.64,-30 66.91,-30 66.86,-29.96 66.86,-28.56 63.52,-25.22 62.03,-25.22 61.64,-24.82 61.64,-21.66 60.19,-20.22 59.48,-20.22 59.17,-19.91 59.17,-17.89 58.78,-17.5 58.78,-15.58
DRAM_1V35_IN on BOTTOM (solid shape): 58.43,-17.1 57.97,-17.57 57.92,-17.63 57.91,-17.71 57.91,-18.14 57.13,-18.14 57.1,-18.15 57.08,-18.19 57.08,-19.09 57.1,-19.12 57.13,-19.14 57.91,-19.14 57.91,-19.44 57.13,-19.44 57.1,-19.45 57.08,-19.49 57.08,-19.76 56.91,-20.18 56.48,-20.36 54.68,-20.36 53.97,-20.07 53.68,-19.36 53.68,-17.69 53.97,-16.98 54.68,-16.69 57.74,-16.69 57.83,-16.6 58.43,-16.6
DRAM_1V35_PWR on TOP (solid shape): 38.75,-15.29 38.89,-15.35 38.95,-15.49 38.95,-16.65 39.01,-16.79 39.15,-16.85 41.62,-16.85 41.64,-16.85 41.64,-16.87 41.64,-18.36 41.72,-18.74 41.94,-19.06 42.43,-19.56 42.76,-19.77 43.14,-19.85 46.74,-19.85 46.81,-19.88 46.84,-19.95 46.84,-20.85 46.81,-20.92 46.74,-20.95 45.29,-20.95 44.58,-21.24 44.29,-21.95 44.29,-24.49 42.29,-24.49 42.29,-20.59 42.26,-20.52 42.19,-20.49 42.02,-20.49 41.83,-20.45 41.66,-20.34 41.47,-20.14 41.3,-20.04 41.11,-20 40.73,-20 40.38,-19.85 40.23,-19.5 40.23,-18.19 40.09,-17.83 39.73,-17.69 39.32,-17.69 39.25,-17.66 39.22,-17.58 37.55,-17.58 37.41,-17.53 37.35,-17.38 37.35,-15.49 37.41,-15.35 37.55,-15.29